# KiCad board Rogelio Pineda - connect 5 AMLDC-2044B.kicad_pcb (continued)
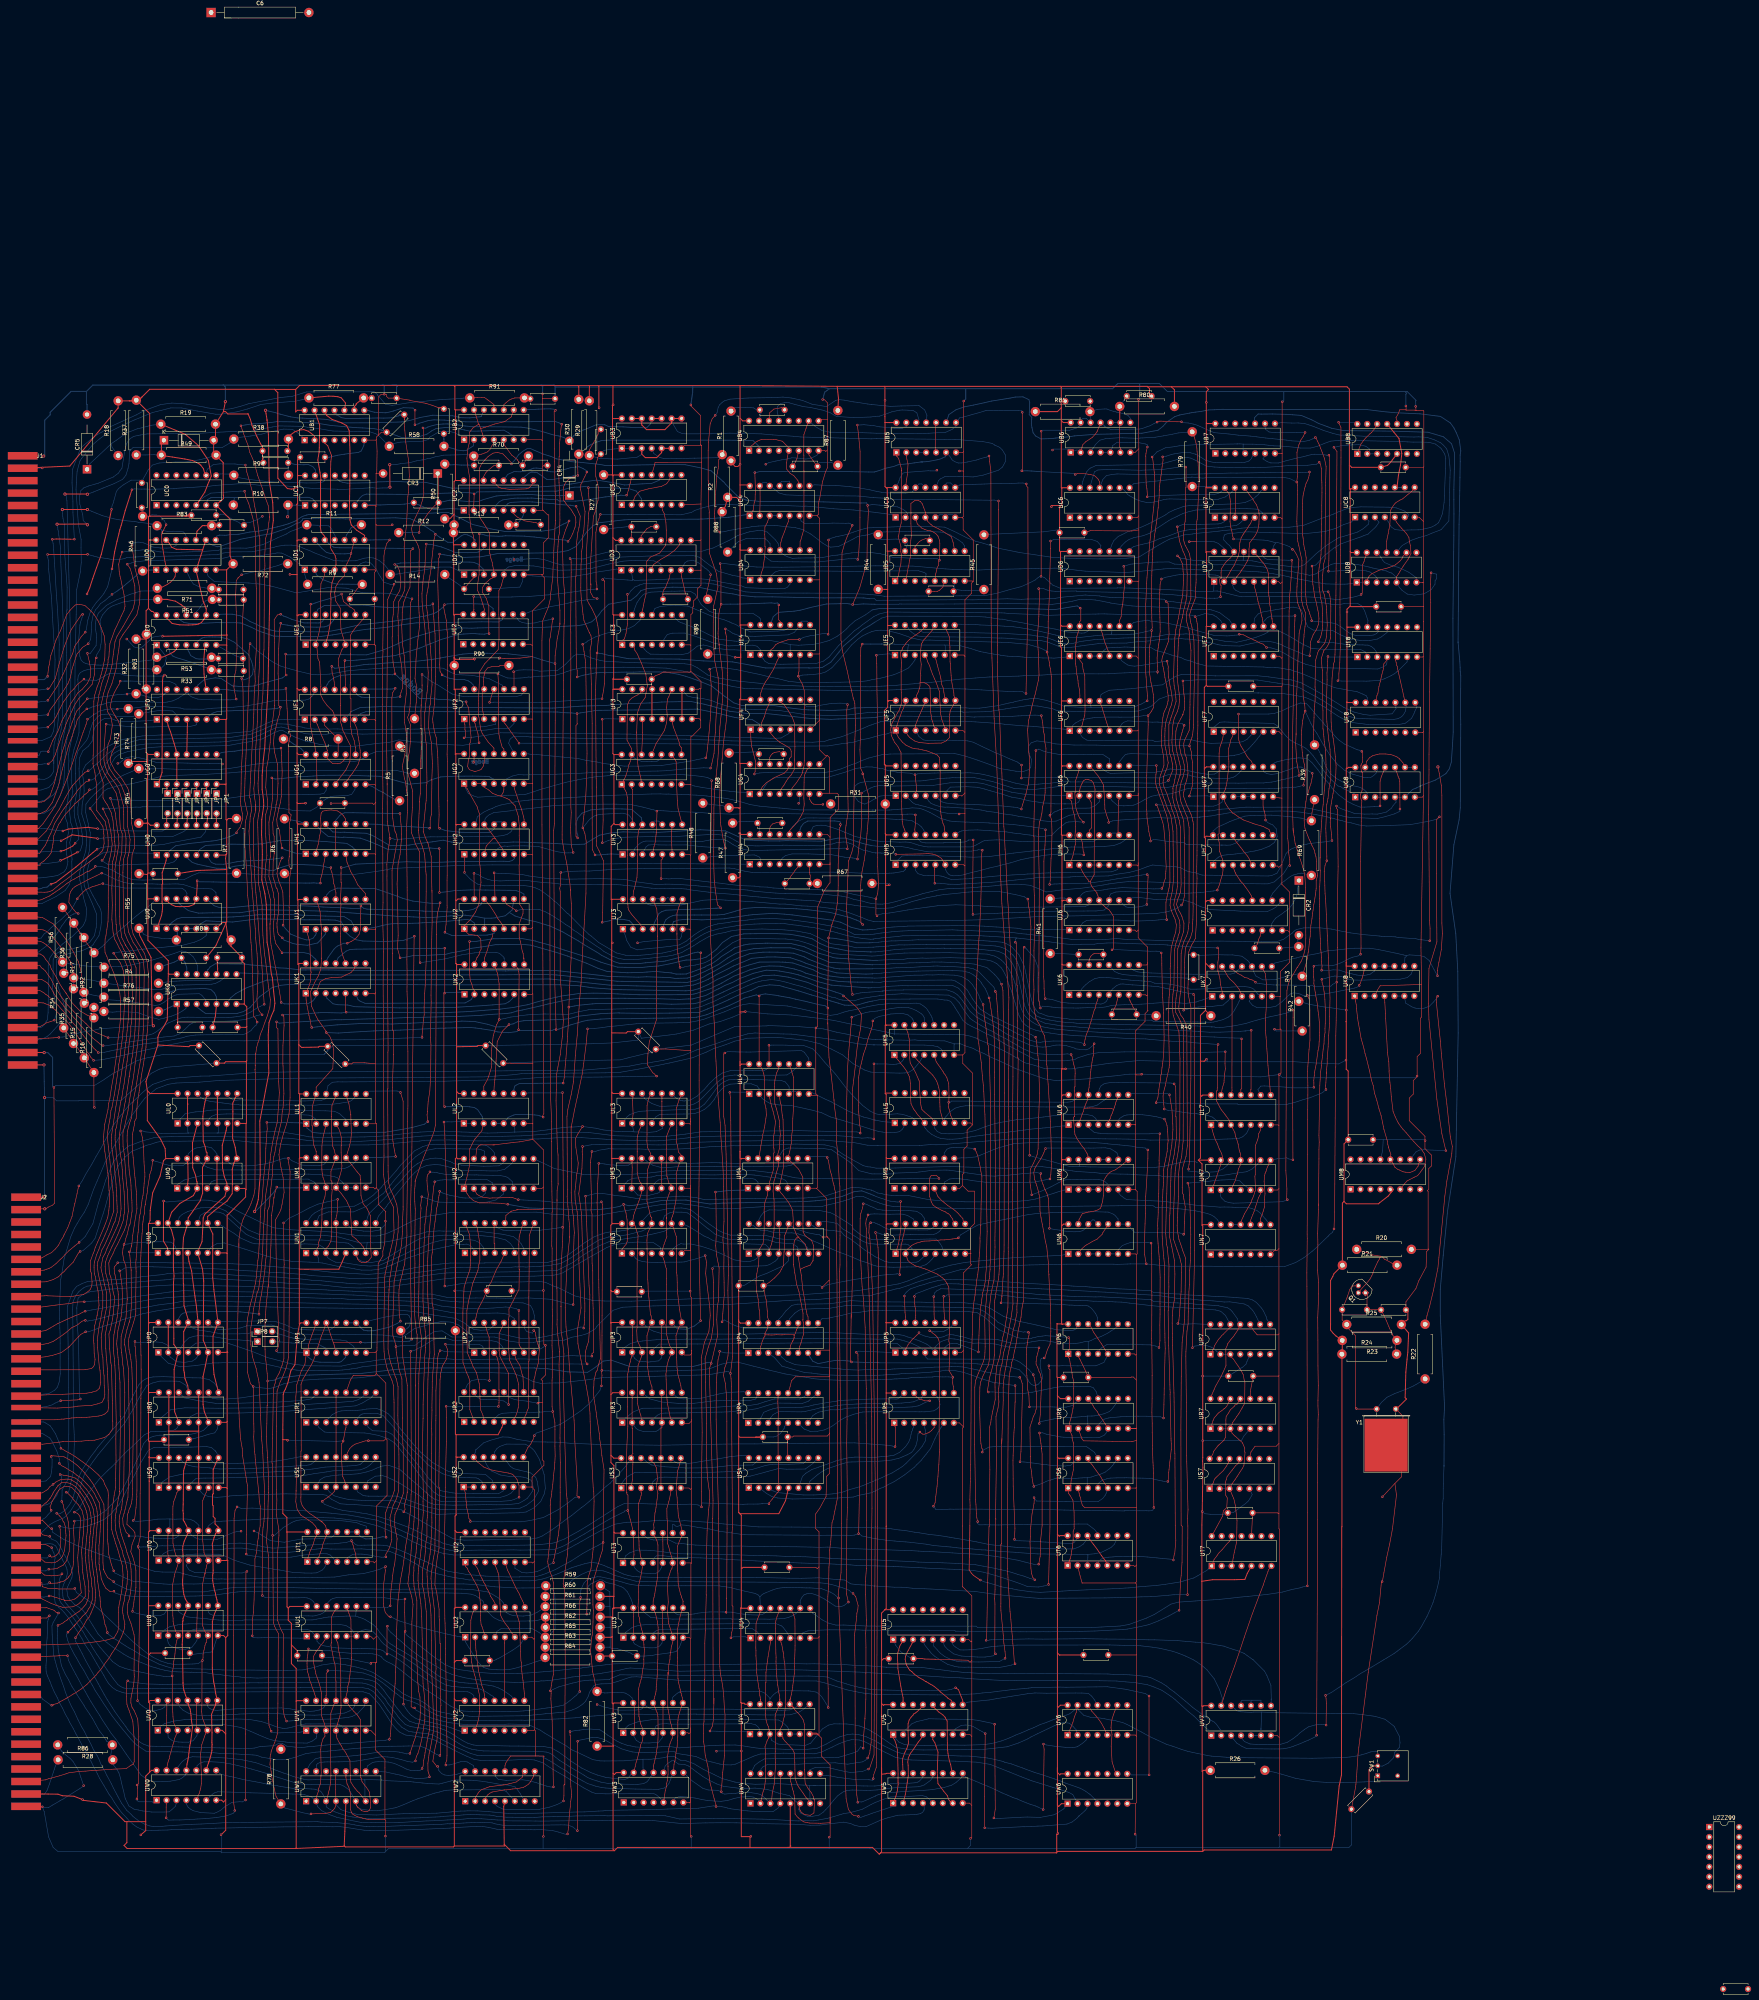
[diagram p0: board, top side]
## Routing (per net, layer and track width the routed paths; a pad name or vN(x,y) marks a point on that pad's centre or on a via; arc(x,y) is an arc through that point) (continued)
DATA15: length 134.4
  Top w0.15: UN1.7 162.75,189.34 162.31,189.84 162.14,190.15 161.43,190.76 160.91,191.35 159.89,192.15 159.77,193.35 159.46,199.12 ; 159.39,199.17 158.76,200.51 158.49,201.14 157.61,202.31 157.09,203.03 UM1.4 156.78,207.42 157.22,209.04 157.31,210.01 157.24,210.6 157.11,213.52 157.11,215.13 157.15,215.17 157.15,217.34 156.82,218.72 156.47,219.64 155.81,220.46 UL1.4
  Bottom w0.15: 163.75,190.39 162.96,190.35 161.83,190.35 156.54,191.85 152.97,192.25 146.45,192.28 144.89,192.18 136.13,192.53 133.31,193.69 131.9,194.74 127.67,198.5 125.89,199.27 125.39,199.39 121.27,199.31 119.76,198.9 117.93,198.37 116.52,197.65 115.74,196.92 UN0.12 ; 163.75,190.39 164.89,190.43 165.2,190.35 166.82,190.51 168.2,190.55 170.32,190.92 172.86,191.52 176.94,192.55 178.99,193.17 182.12,193.41 183.3,193.36 191.85,193.37 198.55,192.53 201.17,191.92 202.09,191.19 203.08,190.18 203.65,189.15 UN2.7 ; 163.75,190.39 163.61,188.9 ; UN1.7 163.61,187.96 163.61,188.9 ; 163.61,188.9 163.59,188.89
DATA_IN_A: length 304.6
  Top w0.15: UT3.13 231.8,114.8 231.94,110.68 UT3.2 ; UT3.13 231.68,115.49 ; UT3.13 231.56,117.37 231.29,118.53 230.97,119.77 230.62,121.08 230.38,121.86 230.4,121.88 230.4,121.95 v1(230.35,122.01) 230.4,122.07 230.4,125.94 230.12,126.23 230.12,126.56 ; 231.44,161.46 231.13,160.7 230.99,159.96 230.82,159.41 230.51,157.98 230.44,157.41 230.28,156.69 230.28,148.51 230.3,148.43 230.37,143.52 230.14,138.84 229.99,134.09 230.04,132.47 230.08,126.56 230.12,126.56 ; 231.44,161.46 UP3.2 231.55,166.79 231.53,168.52 231.46,169.4 UP3.13 ; 231.44,161.46 231.35,161.12 ; 230.12,126.56 230.14,126.54 ; v1(130.51,122.93) 130.01,122.04 129.76,120.01 129.73,103.48 129.66,100.56 129.66,90.16 129.64,82.67 129.58,65.23 129.64,47.4 v1(129.94,45.38) ; UP3.5 239.08,163.68 238.86,163.9 UP3.10 ; UT3.5 239.35,112.08 239.31,114.01 UT3.10 ; 112.42,43.42 112.4,43.43 112.4,43.5 v1(112.39,43.52) 112.4,43.53 112.4,46.25 112.42,46.87 UW0.2
  Bottom w0.15: v1(112.39,43.52) 112.67,43.14 113.07,42.92 114.2,42.96 115.89,42.96 118.33,43.07 119.65,43.16 120.31,43.21 122.33,43.3 125.3,43.59 127.22,43.92 ; UP3.2 232.03,160.93 232.81,160.29 233.13,160.12 233.99,160.02 235.01,160 235.62,159.91 236.17,159.98 238.26,160.22 238.92,160.93 UP3.5 ; 127.22,43.92 127.28,43.92 ; 127.22,43.92 127.99,44.07 128.97,44.46 129.49,44.63 129.83,45.01 v1(129.94,45.38) ; v1(130.51,122.93) 131.53,122.57 132.55,122.57 134.36,122.62 135.6,122.57 137.18,122.35 141.04,122.26 143.47,122.04 145.25,122.06 146.52,122.06 148.64,121.83 154.65,121.3 159.12,120.84 163.43,120.04 166.31,119.5 169.05,118.42 171.46,117.37 173.44,116.47 175.56,115.51 177.18,114.78 179.06,113.87 180.5,113.26 181.43,112.91 183.38,112.25 184.86,111.87 189.3,111.82 190.33,111.85 193,111.9 195.3,111.84 201.15,111.95 202.93,111.88 205.34,111.92 206.7,111.91 211.69,112.1 213.56,112.77 214.69,113.33 215.79,114.02 216.29,114.3 217.33,114.89 218.2,115.41 219.27,116 220.61,116.83 221.75,117.5 224.07,118.87 225.83,119.88 227.47,120.71 228.76,121.34 229.47,121.68 229.6,121.9 v1(230.35,122.01) ; UT3.2 232.05,107.43 232.78,106.62 233.31,106.3 233.99,106.04 236.13,105.89 237.54,105.96 238.04,106.24 238.5,106.6 239.02,107.58 UT3.5
DATA_IN_B: length 548.5
  Top w0.15: 107.05,200.13 107.5,202.85 107.66,203.63 107.66,204.3 108.15,207.24 108.21,207.83 108.55,208.78 108.7,209.48 v1(108.99,211.45) ; UV0.13 112.58,73.27 112.58,72.18 112.54,69.6 112.46,66.99 112.46,66.19 UV0.2 ; 222.98,210.6 v1(222.95,210.65) 222.66,205.46 222.52,200.53 222.58,198.31 222.94,180.95 222.96,178.96 223.36,160.78 222.86,159.18 222.55,157.84 222.22,157.33 221.72,155.18 221.68,153.68 221.55,153.3 221.69,150.82 221.86,149.82 222.28,147.1 222.4,146.02 223.06,141.73 223.15,140.42 223.44,138.64 223.72,136.07 224.28,132.47 224.05,116.46 v1(224.05,113.84) 224.01,113.69 223.93,112 223.36,110.32 222.88,108.51 222.53,107.66 222.19,106.18 221.69,104.68 221.45,103.34 221.45,97.96 221.54,96.41 221.47,93.52 221.39,90.94 221.26,90.19 221.07,89.23 220.83,86 221,84.8 221.34,80.88 221.65,79.72 222.08,77.48 R82.2 ; 231.74,72.84 231.74,72.36 231.98,72.11 232.11,66.6 231.74,65.22 ; UT1.6 160.92,110.01 160.83,110.76 160.77,111.08 160.35,112.37 160.18,113.06 160.1,113.29 159.93,113.87 159.74,113.99 v1(159.76,114.32) 159.74,114.34 159.78,114.39 ; UV0.5 120.09,67.14 120.16,72.39 120.16,73.23 UV0.10 ; UM3.2 231.49,209.52 231.44,210.55 231.49,210.9 UM3.13 ; 239.36,72.84 239.36,65.22 ; v1(105.09,73.44) 105.1,75.66 105.16,77.37 105.24,78.61 105.51,85.73 105.47,88.17 105.61,95.95 105.68,102.21 105.58,112.01 105.24,112.34 v1(105.24,112.81) 105.77,115.28 105.75,126.27 105.88,130.87 105.94,146.91 105.94,150.65 105.96,150.67 105.96,153.27 106.01,153.32 106.01,158.1 105.99,158.11 105.99,161.69 105.96,161.73 105.92,164.44 105.88,165.13 105.88,167.29 105.88,167.94 105.84,183.9 105.81,184.83 105.94,187.01 105.97,187.93 106.24,192.81 106.4,193.72 106.37,194.96 106.48,195.7 106.64,196.97 106.87,197.97 106.93,199.51 107.08,200.27 ; UM3.5 238.98,210.3 239.04,210.36 238.98,210.42 UM3.10
  Top w0.25: UM0.2 118.01,206.45 117.95,210.36 UM0.13 ; UM0.10 UM0.5
  Bottom w0.15: UM3.2 232.88,202.58 235.25,202.36 238.02,203.06 238.37,203.22 UM3.5 ; 239.36,65.22 239.14,63.92 238.25,62.83 235.79,62.63 234.56,62.63 233.31,62.79 232.52,63.31 231.92,64.33 231.74,65.22 ; v1(108.99,211.45) 109.7,211.16 109.98,211.12 111.07,210.8 111.75,210.5 113.09,210.18 113.81,210.1 114.17,210.08 116.73,210.1 117.76,210.87 UM0.13 118.07,213.14 118.61,213.65 119.19,214.2 120.06,214.59 120.96,214.73 121.81,214.9 122.88,214.88 123.92,214.68 124.84,213.79 125.38,213.04 UM0.10 ; UV0.13 112.49,72.65 111.97,71.77 111.38,71.36 110.75,71.17 109.88,70.97 108.87,70.94 107.76,71.16 106.91,71.63 106.34,72.08 105.71,72.55 105.17,73.44 v1(105.09,73.44) ; 231.74,72.84 231.45,74.11 230.77,74.76 229.78,75.35 228.8,75.58 227.84,75.54 227.05,75.53 226.15,75.48 225.09,75.42 224.45,75.4 R82.2 ; UM3.13 231.21,210.59 230.48,210.19 227.73,210.14 226.54,210.28 226.02,210.24 224.39,210.51 223.43,210.65 v1(222.95,210.65) ; UV0.2 112.92,64.04 113.71,63.4 114.43,63.07 115.5,62.88 116.44,62.84 116.7,62.83 118.13,62.83 119.28,63.2 120.14,64.35 120.29,64.63 UV0.5 ; v1(105.24,112.81) 105.63,112.66 106.69,112.7 107.2,112.69 107.85,112.77 108.3,112.81 109.06,112.87 111.34,112.99 111.51,112.99 112.11,112.97 113.52,113 115.08,113.03 119.53,113.1 120.53,113.09 124.77,113.04 124.86,113.03 125.48,113.02 126.94,113.22 127.81,113.34 128.45,113.52 129.81,113.64 129.98,113.62 131.28,113.68 131.88,113.64 132.43,113.61 133.86,113.51 134.84,113.28 136.2,113 137.24,112.71 139.48,112.42 140.22,112.42 141.72,112.48 142.56,112.61 144.77,112.75 145.67,112.88 146.54,112.96 147.55,113.05 148.55,113.15 153.59,113.49 155.34,113.5 156.95,113.69 158.51,113.86 v1(159.76,114.32) 160.74,113.35 161.19,113.15 162.3,113.13 163.03,113.15 165.25,113.19 166.59,113.17 167.97,113.12 168.97,112.97 171.4,112.17 172.79,111.6 174.24,110.97 174.96,110.6 175.93,110.17 177.35,109.54 178.93,108.9 180.74,108.04 181.77,107.58 183,106.96 184.24,106.52 185.87,106.23 187.93,105.91 188.94,105.71 189.95,105.58 191.6,105.48 192.26,105.39 193.55,105.29 193.99,105.25 199.49,105.05 199.89,105.03 202.73,105.03 202.79,105.08 206.52,105.08 206.99,105.14 208.62,105.6 210.16,106.2 211.86,106.92 214.15,108.2 215.81,109.07 218.9,111.06 220.56,111.96 221.92,112.66 222.67,113.02 222.95,113.19 223.34,113.42 223.78,113.68 v1(224.05,113.84)
DATA_OUT_A: length 448.1
  Top w0.15: 214.28,52.11 214.28,69.39 214.38,82.29 214.27,97.84 214.23,102.25 v1(214.17,102.57) 213.84,103.34 214.96,110.88 215.19,114.81 215.16,116.27 214.91,123.07 214.83,125.08 214.72,125.98 214.66,126.37 214.16,143.27 213.84,155.46 213.91,157.93 213.98,160.53 214.03,161.98 213.62,165.83 213.3,167.96 213.3,174.03 213.26,174.07 213.3,174.11 213.3,183.83 213.44,186.39 213.6,189.22 213.69,190.73 213.8,193.96 213.91,198.61 v1(213.68,228.74) ; 214.28,52.11 214.04,51.87 214.04,49.15 v1(213.92,47.82) 214.04,47.91 ; 214.28,52.11 214.08,51.92 ; v1(287.9,100.84) 288.6,99.98 289.21,97.73 289.12,96.69 288.89,95.79 288.85,94.88 288.47,91.72 288.27,90.09 288.41,81.87 288.45,69 288.45,62.26 288.65,53.28 288.87,49.32 v1(289.12,47.48) ; UN2.4 196.37,190.1 196.2,190.27 196.2,195.23 UN2.13 ; v1(336.56,62.35) 336.74,61.01 v1(336.5,45.62)
  Bottom w0.15: UN2.13 196.86,194.29 198.47,193.61 199.49,193.53 200.28,193.48 200.73,193.54 203.15,193.5 206.04,193.53 207.78,193.55 208.75,193.7 210.82,193.91 211.43,194.01 212.51,194.17 v1(213.68,194.34) ; v1(336.5,45.62) 335.19,46.27 334.49,46.55 333.15,46.99 332.17,47.34 330.8,47.9 329.84,48.34 328.75,48.69 327.48,49.27 325.97,49.88 324.18,50.76 322.23,51.62 320.79,52.19 319.19,52.88 317.79,53.44 316.59,53.97 UW5.9 315.46,53.65 314.38,52.67 313.87,52.31 313.12,51.86 311.24,51.29 308.25,50.73 306,50.53 301.96,50.3 301.01,50.25 298.61,50.04 297.77,50.01 297.19,49.96 296.21,49.91 295.21,49.69 294.3,49.4 293.59,49.07 ; 293.59,49.07 293.64,49.1 ; 293.59,49.07 292.72,48.67 290.18,47.56 289.12,47.62 v1(289.12,47.48) ; v1(213.92,47.82) 213.32,47.42 212.27,46.89 210.39,46.24 207.71,45.68 198.54,45.69 197.45,46.23 196.94,46.5 196.52,46.89 UW2.4 ; 213.07,228.65 213.33,228.65 v1(213.68,228.74) ; v1(214.17,102.57) 214.17,102.63 216.71,104.67 218.55,105.7 220.35,106.49 221.78,106.77 223.2,106.72 224.09,106.58 225.28,106.2 227.23,105.38 229.58,104.7 232.53,103.9 276.1,103.63 277.69,103.55 279.62,103.52 280.82,103.4 282.39,103.12 285.29,102.25 286.91,101.64 287.4,101.16 v1(287.9,100.84) ; v1(336.56,62.35) 337.38,62.11 339.44,61.8 342.26,61.51 344.03,61.41 345.21,61.67 346.11,62.25 346.81,62.76 347.52,63.43 347.73,64.57 UV6.3 ; 213.11,228.65 205,228.65 UL2.8
DATA_OUT_B: length 703.8
  Top w0.15: 139.92,201.74 140.29,203.56 v1(140.67,204.62) ; 251.47,65.62 v1(251.35,65.68) 251.98,66.96 252.3,69.03 252.3,71.27 252.4,74.05 ; v1(139.23,65.64) 138.68,67.12 138.62,68.56 138.52,69.19 138.54,69.57 138.49,70.38 138.65,106.14 138.53,110.47 138.03,114.29 138.42,120.19 138.42,122.94 138.47,124.44 138.57,126.53 138.53,126.57 138.55,127.5 138.61,128.16 138.61,129.28 138.49,131.74 138.33,135.55 138.37,135.59 138.2,137.24 138.03,140.85 138.12,144.15 138.2,148.82 138.27,148.89 138.25,148.91 138.25,155 v1(138.33,155.07) 138.22,156.95 138.08,158.28 137.87,160.41 137.72,161.44 137.68,163.19 137.66,163.21 137.66,169.99 137.8,172.1 137.94,174.16 138.49,179.72 138.49,179.52 ; 252.32,72.65 252.28,77.34 252.16,80.2 252.03,119.94 252.07,119.98 252.13,124.63 251.23,156.25 251.27,158.42 v1(251.67,159.57) 253.29,166.55 253.09,170.73 253.22,173.98 253.53,175.71 253.69,183.96 253,187.39 252.82,189.59 252.98,192.79 252.87,201.73 v1(252.74,203.34) ; 139.95,202.03 139.66,199.67 139.33,197.35 139.37,197.31 139.26,192.98 139.17,189.6 138.85,183.43 138.72,182.55 138.49,179.12
  Top w0.25: v2(137.78,403) 137.93,402.1 138.18,400.5 ; v2(134.98,198.35) 135.63,200.25 135.93,201.4 136.43,207.6 136.43,210.3 136.33,221.45 138.63,233.7 138.48,243.45 138.68,246.6 139.28,248.3 139.93,249.75 140.18,251.55 139.83,254.85 139.53,258.1 139.28,258.95 138.53,265.3 138.18,267.15 138.03,275.55 137.98,276.85 137.63,279.5 136.83,283.05 136.98,289.6 136.93,292 136.78,294.6 136.83,298.5 137.33,302 137.28,303.5 136.93,306.2 136.93,309.75 137.23,313.75 137.58,316.75 138.33,330.45 138.43,332.9 138.83,353.8 138.93,362.9 139.03,368.85 139.78,374.85 139.63,379.4 138.73,384.9 138.53,396.75 138.18,400.5 ; 138.18,400.5 138.18,400.35
  Bottom w0.15: v1(139.23,65.64) 139.42,65.34 140.67,65.2 145.08,65.29 146.39,65.34 147.03,65.45 UV1.1 ; v1(251.35,65.68) 253.13,65.63 253.87,65.61 260.69,65.61 UV4.1
  Bottom w0.2: 137.07,200.25 139.4,202.69 139.93,203.31 140.67,204.46 v1(140.67,204.62) 140.88,204.41 146.81,204.41 UM1.1 ; 137.07,200.25 135.17,198.35 v2(134.98,198.35) ; 137.07,200.25 137.07,200.29 ; UM4.1 260.01,203.83 256.14,203.74 253.71,203.45 v1(252.74,203.34) ; 179.38,158.41 206.44,158.41 206.48,158.45 206.69,158.37 209.89,158.2 214.91,157.42 220.08,157.29 221.59,158.26 222.47,158.88 224.07,160.16 226.08,160.41 229.54,159.23 230.97,158.77 247.1,158.81 248.52,159.15 250.39,159.72 251.67,159.9 v1(251.67,159.57) ; 179.38,158.41 179.42,158.45 ; 179.38,158.41 172.97,158.11 171.2,158.06 162.46,157.03 159.57,156.93 149.06,156.6 146.74,156.52 141.42,155.87 139.98,155.28 v1(138.33,155.07) ; v2(137.78,403) 138.45,402.83 139.01,402.7 140.38,402.38 141.5,402.01 144.13,401.33 145.99,401.05 147.23,400.99 149.5,400.86 150.16,400.87 153.4,400.67 157.36,399.77 165.99,399.81 167.7,399.86 168.76,399.9 172.59,400.02 174.56,400.38 177.38,401.18 180.52,401.73 185.6,401.6 187.62,401.11 189.93,401.05 192.88,401.37 UB2.12
DATA_OUT_C: length 627.7
  Top w0.15: 256.65,89.45 v1(256.7,89.47) 256.91,90.8 257.17,92.01 257.21,93.67 257.22,97.51 257,97.72 257,116.5 257.12,117.61 256.84,150.55 256.85,153.57 256.74,155.74 v1(256.6,157.02) 257.13,161.43 256.67,221.62 256.59,227.41 v1(256.41,228.79) ; v1(179.27,221.32) 179.06,223.06 179.2,223.91 ; v1(134.4,90) 134.5,93.81 134.49,94.43 134.72,96.07 134.87,99.37 134.91,100.98 134.97,102.63 135.07,104.36 135.07,109.63 135.49,111.26 135.75,113.97 135.92,114.91 136.09,116.33 136.42,118.08 136.45,123.1 136.21,124.39 136.07,126.62 136.03,126.97 135.41,132.89 135.17,135.06 135.1,136.34 134.96,136.99 134.77,140.78 134.84,142.16 134.79,144.19 v1(134.65,153.67) 133.94,154.38 133.71,155.29 133.17,157.37 133.04,169.32 133.17,170.89 133.91,174.66 134.26,175.83 135.21,179.98 135.43,181.5 135.83,185.85 136.01,187.02 136.28,191.92 136.36,193.27 136.41,195.42 136.45,196.99 136.63,199.85 136.88,201.01 137.32,206.97 137.43,208.16 137.65,210.31 137.78,211.17 137.87,214.54 137.98,216.29 138.16,218.82 138.23,219.44 v1(138.13,221.13) ; v1(178.86,368.84) 178.72,367.51 178.53,363.27 178.47,362.39 178.09,359.91 177.98,358.44 177.76,356.15 177.8,354.05 178.07,351.01 178.4,348.57 178.43,348.23 178.62,346.04 178.78,343.23 179.02,340.64 179.37,336.01 179.33,334.91 179.25,332.55 179.04,330.81 178.72,328.08 178.55,325.98 178.47,325.91 178.47,321.88 178.49,321.31 178.7,318.83 178.88,317.59 179.04,307.73 178.94,307.16 178.84,303.28 178.74,302.47 178.21,297.15 178.08,295.44 178.57,294.04 179.35,292.27 180.12,289.08 180.3,280.12 ; 180.32,280.44 180.32,279.85 180.36,272.6 180.26,267.94 180.08,253.63 180.11,251.94 179.94,242.84 180.06,240.95 179.98,232.86 179.77,229.16 179.35,226.45 179.18,223.83
  Bottom w0.15: v1(256.41,228.79) 257.05,228.87 257.52,228.85 260.94,228.85 261.03,228.94 261.37,228.6 UL4.1 ; 255.58,157.48 254.61,157.32 253.24,157.1 251.9,156.83 249.3,156.61 247.87,156.58 237.28,156.28 234.82,156.21 224.18,155.97 220.46,155.44 212.79,154.58 211.96,154.58 210.3,154.55 208.14,154.46 206.12,154.96 203.7,156.11 201.38,156.92 199.07,157.08 195.45,157.21 188.34,157.31 182.44,157.26 179.6,157.22 175.05,156.95 173.39,156.89 172.18,156.78 165.18,156.36 162.05,155.91 156.74,155.7 151.37,155.55 146.65,155.23 145.55,155.02 142.46,154.36 140.08,153.44 138.7,153.14 135.38,153.47 v1(134.65,153.67) ; v1(134.4,90) 134.58,89.55 135.74,89.48 136.85,89.5 137.5,89.51 138.46,89.51 139.4,89.52 146.66,89.4 147.34,89.42 UU1.1 ; 255.49,157.48 256.05,157.53 v1(256.6,157.02) ; v1(256.7,89.47) 257.44,89.74 260.38,89.75 261.17,89.42 UU4.1
  Bottom w0.2: v1(179.27,221.32) 178.37,220.66 175.24,219.82 172.41,219.29 168.45,218.62 154.09,218.38 151.89,218.36 149.78,218.56 148.39,219.67 UL1.1 146.97,221 146.23,221.02 140.13,221.15 139.1,221.13 v1(138.13,221.13) ; UD2.12 193.5,367.62 192.96,367.26 192.28,366.85 191.71,366.67 190.76,366.69 189.5,366.63 188.24,366.69 186.29,366.7 182.78,368.08 181.6,368.38 180.1,368.76 179.39,368.76 v1(178.86,368.84)
DATIA: length 58.1
  Top w0.15: v1(82.18,325.25) 82.77,326.53 84.05,328.24 84.62,329.18 85.71,330.64 87.31,333.2 87.94,334.8 88.35,336.88 88.67,337.9 89.5,340.42 89.65,340.79 90.17,341.37 91.03,342.45 v1(92.5,343.39)
  Bottom w0.15: v1(82.18,325.25) J1.44 ; 97.8,355.32 96.9,354.51 96.56,354.27 95.6,353.59 95.16,352.96 94.91,352.62 94.37,352.05 93.74,350.68 93.36,348.76 93.32,346.97 93.11,344.47 v1(92.5,343.39)
  Bottom w0.2: 108.04,362.18 UD0.1 ; 108.04,362.18 106.6,362.18 R46.1 ; 108.04,362.18 107.38,362.15 106.25,362.4 104.83,360.82 100.82,357.5 100.36,357.17 99.81,356.77 v1(98.56,355.99) 98.56,355.83 97.8,355.32
DATIB: length 166.6
  Top w0.15: UB2.4 196.15,394.42 195.72,394.15 195.18,393.04 194.52,392.38 193.87,392.11 193.01,391.8 R70.1 ; v1(91.74,346.33) 90.69,345.15 90.08,344.2 89,342.69 88.51,340.85 87.31,338.42 86.48,336.48 85.62,334.64 84.55,332.49 82.19,328.94 v1(82.19,328.92)
  Top w0.25: 169.58,383.4 v2(169.58,383.35) v2(169.53,389.1) 169.58,389.05 ; v1(103.64,382.7) 103.12,381.04 101.94,377.36 100.92,373.59 100.57,372.53 100.31,371.41 99.85,369.56 99.24,366.9 v1(98.57,362.48)
  Bottom w0.15: v2(169.58,383.35) 169.18,383.35 168.89,383.15 167.6,383.15 166.27,383.1 165.06,383.22 156.29,382.72 156.17,382.84 149.76,383.04 141.14,383.85 138.86,383.85 136.59,383.82 134.32,384.06 133.09,384.18 130.96,384.22 127.18,383.96 125,383.82 123.45,383.61 119.49,383.34 117.84,383.24 115.08,383.08 114.43,382.94 114.21,382.96 109.98,382.87 108.31,382.83 106.9,382.88 106.11,382.87 104.25,382.92 v1(103.64,382.7) ; v1(82.19,328.92) 81.45,328.59 80.41,328.57 J1.42 ; v1(91.74,346.33) 92.01,347.08 92.38,349.41 92.99,351.38 93.61,352.59 94.6,353.96 95.69,355.16 96.5,356.22 97.44,357.92 98.25,361.16 v1(98.57,362.48) ; R70.1 189.33,391.68 185.13,391.57 183.24,391.54 182.72,391.4 181.15,391.11 179.94,390.75 179.13,390.62 177.93,390.31 177.9,390.34 176.33,390.08 174.64,389.62 172.31,389.36 171.23,389.15 170.92,389.1 v2(169.53,389.1)
DATIC: length 211.4
  Top w0.15: R91.1 191.99,406.29 192.96,406.29 193.73,406.26 194.61,405.63 196.15,404.46 UB2.11
  Top w0.2: 83.24,369.98 v1(83.3,370.04) 84.31,370.13 ; 88.97,370.06 88.96,370.06 v1(88.94,370.08) 88.93,370.06 87.98,370.06
  Top w0.25: 84.31,370.13 87.98,370.06
  Bottom w0.15: v1(83.3,370.04) 83.51,369.03 83.66,367.49 83.88,363.97 84.37,355.67 84.65,352.09 84.85,348.08 85.09,343.26 85.05,341.75 85,334.24 85.02,328.53 84.97,325.99 84.81,323.89 84.5,320.78 83.74,317.5 83.69,312.81 ; v1(88.94,370.08) 88.59,376.82 88.58,379.78 88.35,384.47 88.44,387.81 90.31,392.74 90.85,393.67 93.33,395.71 94.89,396.84 96.04,397.48 97.84,398.68 104.72,401.8 105.91,402.46 108.5,403.55 110.96,404.45 113.83,404.84 116.34,404.73 117.61,404.56 122.06,403.83 122.83,403.63 126.4,403.17 126.93,403.21 127.62,403.23 129.08,403.4 131.47,404.03 133.55,404.69 141.64,406.27 144.59,406.55 148.23,407.68 155.73,407.68 165.52,407.72 166.33,407.11 166.47,406.83 168.43,404.55 170.14,404.25 175.06,405.02 178.12,405.27 182.91,405.76 184.91,405.85 187.94,406.02 188.36,406.12 R91.1 ; J1.54 80.09,308.82 80.13,308.78 81.31,308.74 82.31,309.16 82.95,309.66 83.68,310.78 83.69,312.81 ; 83.69,312.81 83.69,313.74
DATOA: length 120.5
  Top w0.25: 92.38,377.6 92.33,377.65 v2(92.28,377.65) v2(85.88,377.65) 86.03,377.65
  Bottom w0.15: 108.42,373.96 107.8,374.12 105.36,374.39 104.37,374.58 101.62,374.83 99.05,375.27 96.13,376.08 94.51,376.73 93.29,377.23 v2(92.28,377.65) ; 108.42,373.96 109.63,373.96 R83.1 111.18,372.41 111.25,372.41 ; 108.42,373.96 109.26,373.74 110.08,373.74 110.08,373.65 ; 111.25,372.41 110.58,372.82 110.08,373.65 ; 111.25,372.41 111.35,372.35 112.81,372.04 114.05,372.1 115.85,372.09 116.85,371.91 117.33,371.31 117.72,370.11 UD0.11 ; v2(85.88,377.65) 85.88,376.67 85.99,375.85 86.04,375.35 86.42,373.7 86.5,366.74 86.51,366.01 86.67,363.63 87.1,357.82 87.07,352.07 87.13,352 87,351.86 87,341.23 86.99,340.43 87.02,339.2 86.88,327.43 86.92,326.77 86.93,325.86 86.72,322.31 86.38,320.7 85.83,318.04 85.7,316.32 85.44,310.32 84.88,306.72 83.72,304.88 81.76,303.52 80.81,303.26 80.07,303.1 J1.58 ; 110.08,373.65 110.17,373.65 110.28,373.54
DATOB: length 201.3
  Top w0.25: v2(92.28,373.75) 92.08,373.95 v2(84.53,373.9) 84.48,373.95
  Bottom w0.15: UB2.1 187.72,396.6 186.85,396.85 186.14,397.26 185.05,397.54 183.89,397.59 182.21,397.56 179.74,396.12 179.32,395.5 177.85,395.11 172.21,394.87 170.4,394.49 R58.1 166.97,396.29 166.01,396.99 164.32,397.53 155.02,397.7 151.06,398.36 148.49,398.66 147.69,398.83 146.27,398.91 141.21,399 139.62,398.74 136.61,398.19 134.86,397.78 131.17,397.28 130.04,397.62 120.59,397.11 107.54,396.96 105.79,396.68 105.23,396.58 104.09,396.32 103.21,395.77 102.68,395.11 102.28,394.43 101.84,392.81 101.55,390.95 101.1,388.18 100.62,387.6 100.25,386.97 98.87,385.95 95.07,384.38 92.6,383.67 91.35,383.17 90.61,382.5 90.3,381.12 90.33,379.04 91.09,376.31 91.21,374.83 v2(92.28,373.75) ; v2(84.53,373.9) 84.7,373.11 84.74,372.5 84.84,372.14 84.98,371.09 85.42,367.79 85.49,364.23 86.15,347.19 85.91,333.68 85.93,325.17 85.77,322.79 85.55,321.38 84.93,318.92 84.77,317.94 84.57,310.82 84.43,309.97 84.26,309.59 83.95,308.67 83.6,307.93 82.42,306.67 80.42,306.01 J1.56
DATOC: length 165.7
  Top w0: 81.24,366.15 81.25,366.17 v1(82.12,366.17) ; 92.28,366.17 v1(92.32,366.21)
  Top w0.2: v1(82.12,366.17) 92.28,366.17
  Bottom w0.15: UD2.1 187.03,362.07 185.03,362.96 182.35,362.95 177.87,362.18 176.74,361.96 175.27,361.77 174.05,361.58 171.41,361.17 R14.1 169.21,362.19 168.95,362.61 168.18,363.56 167.27,364.28 166.84,364.61 166.22,364.96 165.41,365.28 164.35,365.39 162.97,365.21 160.83,364.56 158.56,364.54 157.49,364.5 155.24,364.64 153.09,365.48 150.16,366.63 149.12,367.13 147.7,367.65 146.26,368.29 144.43,368.56 142.71,368.55 140.63,368.23 139.93,367.99 137.97,367.56 134.37,366.86 129.33,366.85 126.92,366.53 125.51,366.1 123.53,366.08 120.03,365.91 117.47,365.84 106.48,365.62 102.95,365.45 102.36,365.4 101.83,365.13 100.61,364.92 98.36,364.93 97.45,365.09 94.95,365.48 93.74,365.8 v1(92.32,366.21) ; v1(82.12,366.17) 82.12,366.04 82.14,365.48 82.31,364.56 82.36,362.46 83.11,355.05 83.37,350.01 84.01,339.35 83.82,328.94 83.94,327.05 83.88,325.32 ; 83.89,325.52 83.84,322.63 83.61,321.04 82.99,319.66 80.6,318.62 J1.48